# Altium PCB qfc.PcbDoc (part 11 of 13)
Units mil, origin at the board's own origin, x right, y up, seen from the top; angles counter-clockwise.
Board outline 1990 x 2620 mil, 4 copper layers (Top Layer, Mid-Layer 1, Mid-Layer 2, Bottom Layer); 217 components, 187 nets, 805 pads, 370 vias.
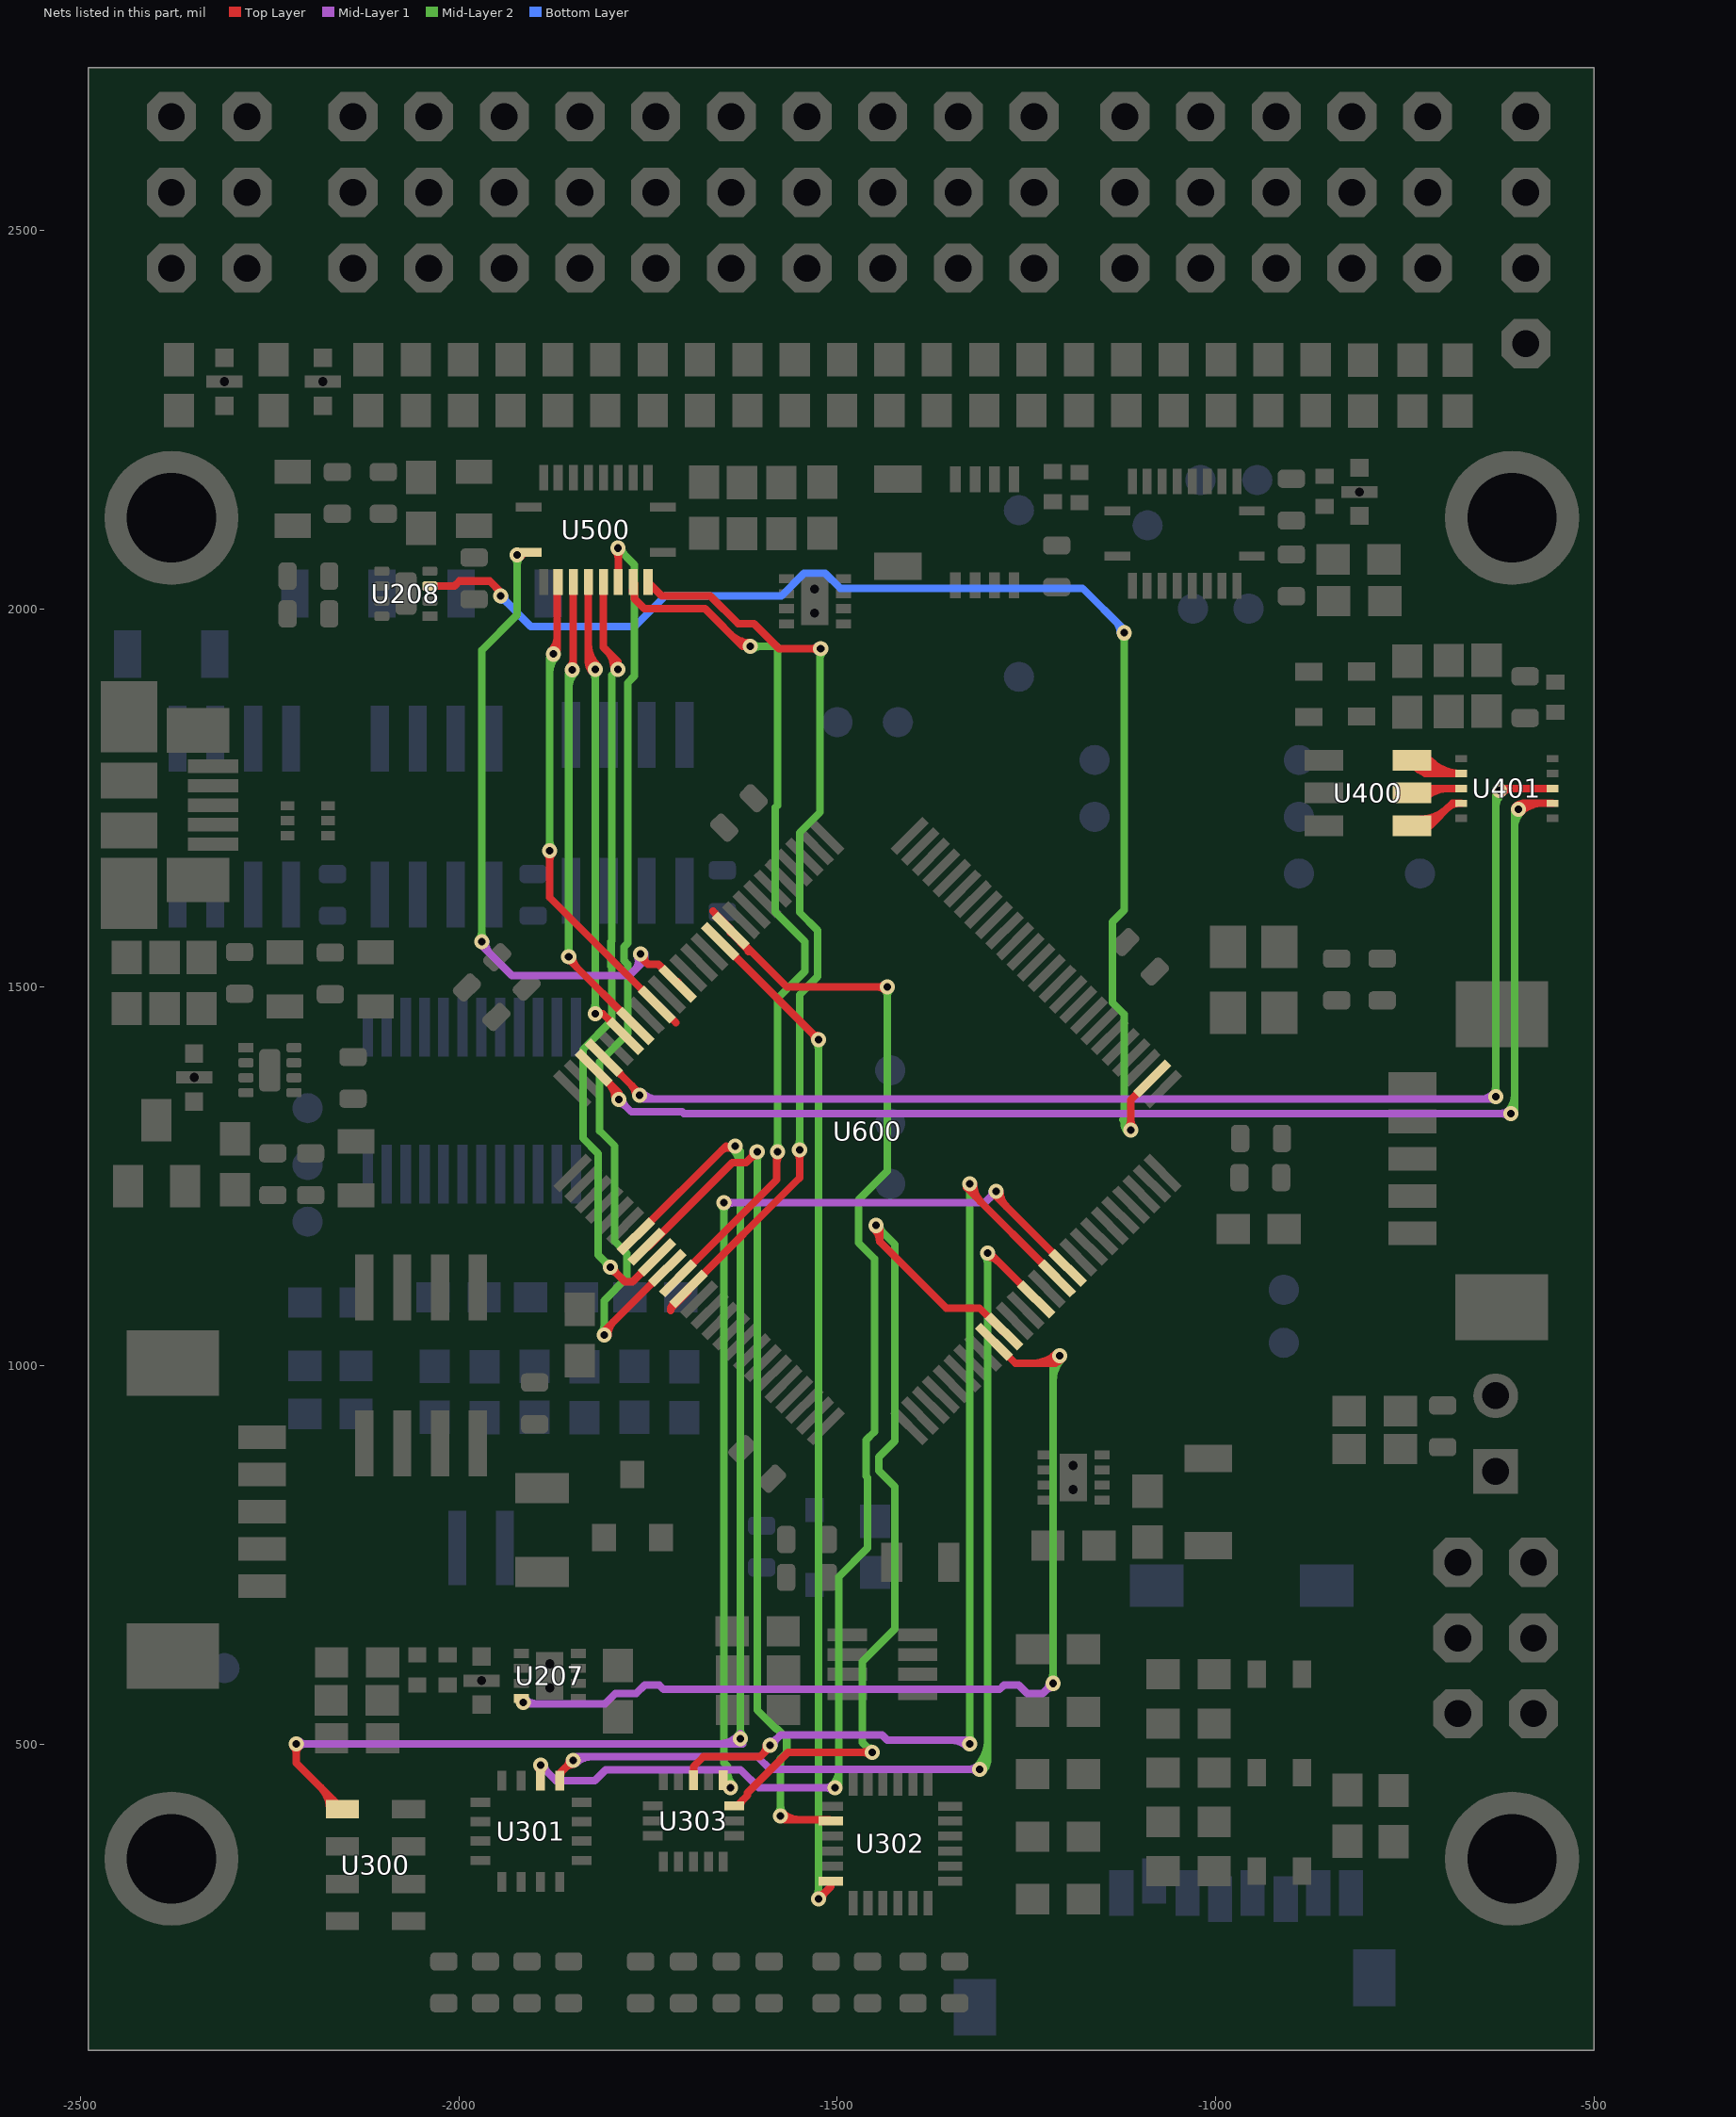
[diagram p13: the nets of this part, all layers, seen from the top]

## Via types
v1: diameter 20, hole 10, Top Layer to Bottom Layer, tented both sides, 256 vias
v2: diameter 22, hole 12, Top Layer to Bottom Layer, tented both sides, 31 vias
v3: diameter 25, hole 15, Top Layer to Bottom Layer, tented both sides, 29 vias
v4: diameter 20, hole 12, Top Layer to Bottom Layer, tented both sides, 17 vias
v5: diameter 30, hole 15, Top Layer to Bottom Layer, tented both sides, 12 vias
v6: diameter 25, hole 12, Top Layer to Bottom Layer, tented both sides, 11 vias
v7: diameter 25, hole 13, Top Layer to Bottom Layer, tented both sides, 5 vias
v8: diameter 40, hole 25, Top Layer to Bottom Layer, tented both sides, 2 vias
v9: diameter 23, hole 13, Top Layer to Bottom Layer, tented both sides, 2 vias
v10: diameter 30, hole 20, Top Layer to Bottom Layer, tented both sides, 2 vias
v11: diameter 20, hole 13, Top Layer to Bottom Layer, tented both sides, 1 vias
v12: diameter 20, hole 15, Top Layer to Bottom Layer, tented both sides, 1 vias
v13: diameter 30, hole 18, Top Layer to Bottom Layer, tented both sides, 1 vias

## Nets (pads, with @x,y where several pads share a name; then routed paths per layer and width w, separated by ;. In a path a pad name is that pad's centre, name@x,y a point inside that pad or via, vN(x,y) a via of type N, cw(c..) or ccw(c..) an arc to the next point about the centre after c; other vN are vias at no path point) (continued)
NetU207_4: U207.4 U600.84 | length 1862.3
  Top Layer w10: U600.84@-1293.12,1031.4 -1264.86,1003.14 -1211.86,1003.14 -1206,1009 v1(-1206,1013) ; -1241.88,1003.14 ccw(c-1241.88,1048.88) v1@-1209.54,1016.54 ; -1241.88,1003.14 ccw(c-1241.88,1048.88) v1@-1209.54,1016.54 ; -1241.88,1003.14 ccw(c-1241.88,1048.88) v1@-1209.54,1016.54 ; -1241.88,1003.14 ccw(c-1241.88,1048.88) v1@-1209.54,1016.54 ; -1217.73,1003.14 ccw(c-1217.73,1024.74) v1@-1202.46,1009.46 ; -1217.73,1003.14 ccw(c-1217.73,1024.74) v1@-1202.46,1009.46 ; -1217.73,1003.14 ccw(c-1217.73,1024.74) v1@-1202.46,1009.46 ; -1217.73,1003.14 ccw(c-1217.73,1024.74) v1@-1202.46,1009.46
  Mid-Layer 1 w10: v1@-1913,553 -1807,553 -1793.39,566.61 -1765.91,566.61 -1754.53,578 -1735.47,578 -1729.47,572 -1285.53,572 -1279.53,578 -1260.47,578 -1249.09,566.61 -1228.39,566.61 v1(-1215,580) ; v1@-1911.46,558.54 ccw(c-1898.1,571.9) -1898.1,553 ; v1@-1911.46,558.54 ccw(c-1898.1,571.9) -1898.1,553 ; v1@-1911.46,558.54 ccw(c-1898.1,571.9) -1898.1,553 ; v1@-1911.46,558.54 ccw(c-1898.1,571.9) -1898.1,553 ; -1223.54,571.46 cw(c-1215,562.93) v1@-1215,575 ; -1223.54,571.46 ccw(c-1232.07,580) v1@-1220,580 ; -1223.54,571.46 cw(c-1215,562.93) v1@-1215,575 ; -1223.54,571.46 ccw(c-1232.07,580) v1@-1220,580 ; -1223.54,571.46 cw(c-1215,562.93) v1@-1215,575 ; -1223.54,571.46 ccw(c-1232.07,580) v1@-1220,580
  Mid-Layer 2 w10: v1(-1215,580) -1215,1004 v1(-1206,1013) ; v1@-1218.54,583.54 ccw(c-1227.07,592.07) -1215,592.07 ; v1@-1218.54,583.54 ccw(c-1227.07,592.07) -1215,592.07 ; v1@-1218.54,583.54 ccw(c-1227.07,592.07) -1215,592.07 ; v1@-1218.54,583.54 ccw(c-1227.07,592.07) -1215,592.07 ; -1215,592.07 ccw(c-1202.93,592.07) v1@-1211.46,583.54 ; -1215,592.07 ccw(c-1202.93,592.07) v1@-1211.46,583.54 ; -1215,592.07 ccw(c-1202.93,592.07) v1@-1211.46,583.54 ; -1215,592.07 ccw(c-1202.93,592.07) v1@-1211.46,583.54 ; -1215,979.2 cw(c-1172.2,979.2) v1@-1202.46,1009.46 ; -1215,979.2 cw(c-1172.2,979.2) v1@-1202.46,1009.46 ; -1215,979.2 cw(c-1172.2,979.2) v1@-1202.46,1009.46 ; -1215,979.2 cw(c-1172.2,979.2) v1@-1202.46,1009.46 ; -1215,1003.34 cw(c-1196.34,1003.34) v1@-1209.54,1016.54 ; -1215,1003.34 cw(c-1196.34,1003.34) v1@-1209.54,1016.54 ; -1215,1003.34 cw(c-1196.34,1003.34) v1@-1209.54,1016.54 ; -1215,1003.34 cw(c-1196.34,1003.34) v1@-1209.54,1016.54
  other v1: -1915,555
NetU208_3: U208.3 U600.2 | length 2300.2
  Top Layer w10: U208.3@-2038.5,2029.84 -2006.05,2029.84 -1999.46,2036.44 -1959.44,2036.44 -1945,2022 v1(-1945,2016.63) ; v1(-1112,1311) -1112,1351.12 U600.2@-1083.85,1379.27 ; v1@-1115.54,1314.54 ccw(c-1124.07,1323.07) -1112,1323.07 ; v1@-1115.54,1314.54 ccw(c-1124.07,1323.07) -1112,1323.07 ; v1@-1115.54,1314.54 ccw(c-1124.07,1323.07) -1112,1323.07 ; v1@-1115.54,1314.54 ccw(c-1124.07,1323.07) -1112,1323.07 ; -1112,1323.07 ccw(c-1099.93,1323.07) v1@-1108.46,1314.54 ; -1112,1323.07 ccw(c-1099.93,1323.07) v1@-1108.46,1314.54 ; -1112,1323.07 ccw(c-1099.93,1323.07) v1@-1108.46,1314.54 ; -1112,1323.07 ccw(c-1099.93,1323.07) v1@-1108.46,1314.54
  Mid-Layer 2 w10: v1(-1121,1968) -1121,1601.6 -1136.49,1586.11 -1136.49,1479.37 -1121,1463.89 -1121,1323 -1112,1314 v1(-1112,1311) ; v1@-1124.54,1964.46 cw(c-1133.07,1955.93) -1121,1955.93 ; v1@-1124.54,1964.46 cw(c-1133.07,1955.93) -1121,1955.93 ; v1@-1124.54,1964.46 cw(c-1133.07,1955.93) -1121,1955.93 ; v1@-1124.54,1964.46 cw(c-1133.07,1955.93) -1121,1955.93 ; -1122.5,1324.5 cw(c-1135.78,1311.22) v1@-1117,1311.05 ; -1122.5,1324.5 cw(c-1135.78,1311.22) v1@-1117,1311.05 ; -1122.5,1324.5 cw(c-1135.78,1311.22) v1@-1117,1311.05 ; -1121,1320.66 ccw(c-1102.34,1320.66) v1@-1115.54,1307.46 ; -1121,1320.66 ccw(c-1102.34,1320.66) v1@-1115.54,1307.46 ; -1121,1320.66 ccw(c-1102.34,1320.66) v1@-1115.54,1307.46 ; -1121,1320.66 ccw(c-1102.34,1320.66) v1@-1115.54,1307.46 ; -1121,1344.8 ccw(c-1078.2,1344.8) v1@-1108.46,1314.54 ; -1121,1344.8 ccw(c-1078.2,1344.8) v1@-1108.46,1314.54 ; -1121,1344.8 ccw(c-1078.2,1344.8) v1@-1108.46,1314.54 ; -1121,1344.8 ccw(c-1078.2,1344.8) v1@-1108.46,1314.54 ; -1121,1955.93 cw(c-1108.93,1955.93) v1@-1117.46,1964.46 ; -1121,1955.93 cw(c-1108.93,1955.93) v1@-1117.46,1964.46 ; -1121,1955.93 cw(c-1108.93,1955.93) v1@-1117.46,1964.46 ; -1121,1955.93 cw(c-1108.93,1955.93) v1@-1117.46,1964.46
  Bottom Layer w10: v1(-1945,2016.63) -1944.63,2017 -1938.3,2010.66 -1938.3,2009.82 -1904.97,1976.5 -1767.92,1976.5 -1727.42,2017 -1573.72,2017 -1543.97,2046.75 -1516.03,2046.75 -1496.28,2027 -1176,2027 -1121,1972 v1(-1121,1968) ; v1@-1945,2011.63 cw(c-1945,1999.81) -1936.64,2008.17 ; v1@-1945,2011.63 cw(c-1945,1999.81) -1936.64,2008.17 ; v1@-1945,2011.63 cw(c-1945,1999.81) -1936.64,2008.17 ; v1@-1945,2011.63 cw(c-1945,1999.81) -1936.64,2008.17 ; v1@-1940,2016.63 ccw(c-1927.68,2016.63) -1936.39,2007.92 ; v1@-1940,2016.63 ccw(c-1927.68,2016.63) -1936.39,2007.92 ; v1@-1940,2016.63 ccw(c-1927.68,2016.63) -1936.39,2007.92 ; v1@-1940,2016.63 ccw(c-1927.68,2016.63) -1936.39,2007.92 ; -1132.36,1983.36 cw(c-1147.73,1968) v1@-1126,1968 ; -1132.36,1983.36 cw(c-1147.73,1968) v1@-1126,1968 ; -1132.36,1983.36 cw(c-1147.73,1968) v1@-1126,1968 ; -1132.36,1983.36 cw(c-1147.73,1968) v1@-1126,1968
NetU300_5: U300.5 U600.57 | length 2358.1
  Top Layer w10: v1(-2215,500) -2215,474.82 U300.5@-2154,413.82 ; U600.57@-1766.26,1170.78 -1647.04,1290 ; v1@-2218.54,496.46 cw(c-2227.07,487.93) -2215,487.93 ; v1@-2218.54,496.46 cw(c-2227.07,487.93) -2215,487.93 ; v1@-2218.54,496.46 cw(c-2227.07,487.93) -2215,487.93 ; v1@-2218.54,496.46 cw(c-2227.07,487.93) -2215,487.93 ; -2215,487.93 cw(c-2202.93,487.93) v1@-2211.46,496.46 ; -2215,487.93 cw(c-2202.93,487.93) v1@-2211.46,496.46 ; -2215,487.93 cw(c-2202.93,487.93) v1@-2211.46,496.46 ; -2215,487.93 cw(c-2202.93,487.93) v1@-2211.46,496.46 ; -2183.02,442.84 cw(c-2212.04,413.82) U300.5@-2171,413.82 ; -2183.02,442.84 cw(c-2212.04,413.82) U300.5@-2171,413.82 ; -2183.02,442.84 cw(c-2212.04,413.82) U300.5@-2171,413.82 ; -2183.02,442.84 cw(c-2212.04,413.82) U300.5@-2171,413.82 ; U300.5@-2165.95,425.77 cw(c-2177.9,413.82) U300.5@-2161,413.82 ; U300.5@-2165.95,425.77 cw(c-2177.9,413.82) U300.5@-2161,413.82 ; U300.5@-2165.95,425.77 cw(c-2177.9,413.82) U300.5@-2161,413.82 ; U300.5@-2165.95,425.77 cw(c-2177.9,413.82) U300.5@-2161,413.82 ; -1653.05,1283.98 cw(c-1644.23,1275.16) v1@-1637.64,1285.75 ; -1653.05,1283.98 cw(c-1644.23,1275.16) v1@-1637.64,1285.75 ; -1653.05,1283.98 cw(c-1644.23,1275.16) v1@-1637.64,1285.75
  Mid-Layer 1 w10: v1(-2215,500) -1625,500 -1628,503 -1628,514 v1(-1628,507) ; v1@-2211.46,496.46 cw(c-2202.93,487.93) -2202.93,500 ; v1@-2211.46,496.46 cw(c-2202.93,487.93) -2202.93,500 ; v1@-2211.46,496.46 cw(c-2202.93,487.93) -2202.93,500 ; v1@-2211.46,496.46 cw(c-2202.93,487.93) -2202.93,500 ; v1@-2211.46,503.54 ccw(c-2202.93,512.07) -2202.93,500 ; v1@-2211.46,503.54 ccw(c-2202.93,512.07) -2202.93,500 ; v1@-2211.46,503.54 ccw(c-2202.93,512.07) -2202.93,500 ; v1@-2211.46,503.54 ccw(c-2202.93,512.07) -2202.93,500 ; -1656.97,500 ccw(c-1656.97,535.97) v1@-1631.54,510.54 ; -1656.97,500 ccw(c-1656.97,535.97) v1@-1631.54,510.54 ; -1656.97,500 ccw(c-1656.97,535.97) v1@-1631.54,510.54 ; -1656.97,500 ccw(c-1656.97,535.97) v1@-1631.54,510.54
  Mid-Layer 2 w10: v1@-1628,503 v1@-1628,1283 ; v1@-1638.54,1286.46 cw(c-1663.97,1261.03) -1628,1261.03 ; v1@-1638.54,1286.46 cw(c-1663.97,1261.03) -1628,1261.03 ; v1@-1638.54,1286.46 cw(c-1663.97,1261.03) -1628,1261.03 ; v1@-1638.54,1286.46 cw(c-1663.97,1261.03) -1628,1261.03 ; v1@-1631.54,510.54 ccw(c-1640.07,519.07) -1628,519.07 ; v1@-1631.54,510.54 ccw(c-1640.07,519.07) -1628,519.07 ; v1@-1631.54,510.54 ccw(c-1640.07,519.07) -1628,519.07 ; v1@-1631.54,510.54 ccw(c-1640.07,519.07) -1628,519.07 ; -1628,519.07 ccw(c-1615.93,519.07) v1@-1624.46,510.54 ; -1628,519.07 ccw(c-1615.93,519.07) v1@-1624.46,510.54 ; -1628,519.07 ccw(c-1615.93,519.07) v1@-1624.46,510.54 ; -1628,519.07 ccw(c-1615.93,519.07) v1@-1624.46,510.54
  other v1: -1635,1290
NetU301_5: U301.5 U600.88 | length 2041.1
  Top Layer w10: U301.5@-1866.61,451.46 -1866.61,461.39 v1@-1850,478 ; v1(-1301.63,1148.36) -1298.36,1148.36 U600.88@-1237.26,1087.26 ; U301.5@-1865.61,458.46 cw(c-1856.13,458.46) -1862.84,465.16 ; U301.5@-1865.61,458.46 cw(c-1856.13,458.46) -1862.84,465.16 ; U301.5@-1865.61,458.46 cw(c-1856.13,458.46) -1862.84,465.16 ; U301.5@-1865.61,458.46 cw(c-1856.13,458.46) -1862.84,465.16 ; -1859.24,468.76 cw(c-1849,458.51) v1@-1849,473 ; -1859.24,468.76 cw(c-1849,458.51) v1@-1849,473 ; -1859.24,468.76 cw(c-1849,458.51) v1@-1849,473 ; -1859.24,468.76 cw(c-1849,458.51) v1@-1849,473 ; -1856.83,471.17 ccw(c-1863.66,478) v1@-1854,478 ; -1856.83,471.17 ccw(c-1863.66,478) v1@-1854,478 ; -1856.83,471.17 ccw(c-1863.66,478) v1@-1854,478 ; -1856.83,471.17 ccw(c-1863.66,478) v1@-1854,478 ; v1@-1301.63,1143.36 cw(c-1301.63,1123.39) -1287.51,1137.51 ; v1@-1301.63,1143.36 cw(c-1301.63,1123.39) -1287.51,1137.51 ; v1@-1301.63,1143.36 cw(c-1301.63,1123.39) -1287.51,1137.51 ; v1@-1301.63,1143.36 cw(c-1301.63,1123.39) -1287.51,1137.51
  Mid-Layer 1 w10: v1@-1844,483 -1605.43,483 -1589.07,466.63 v1(-1312,466.63) ; v1@-1303.27,1150 v1(-1301.63,1148.36) ; v1@-1845.46,474.46 cw(c-1824.86,453.86) -1824.86,483 ; v1@-1845.46,474.46 cw(c-1824.86,453.86) -1824.86,483 ; v1@-1845.46,474.46 cw(c-1824.86,453.86) -1824.86,483 ; v1@-1845.46,474.46 cw(c-1824.86,453.86) -1824.86,483 ; -1324.07,466.63 cw(c-1324.07,454.56) v1@-1315.54,463.1 ; -1324.07,466.63 ccw(c-1324.07,478.71) v1@-1315.54,470.17 ; -1324.07,466.63 cw(c-1324.07,454.56) v1@-1315.54,463.1 ; -1324.07,466.63 ccw(c-1324.07,478.71) v1@-1315.54,470.17 ; -1324.07,466.63 cw(c-1324.07,454.56) v1@-1315.54,463.1 ; -1324.07,466.63 ccw(c-1324.07,478.71) v1@-1315.54,470.17 ; -1324.07,466.63 cw(c-1324.07,454.56) v1@-1315.54,463.1 ; -1324.07,466.63 ccw(c-1324.07,478.71) v1@-1315.54,470.17
  Mid-Layer 2 w10: v1(-1312,466.63) -1301.63,477 v1(-1301.63,1148.36) ; v1@-1315.54,470.17 ccw(c-1349.09,503.73) -1301.63,503.73 ; v1@-1315.54,470.17 ccw(c-1349.09,503.73) -1301.63,503.73 ; v1@-1315.54,470.17 ccw(c-1349.09,503.73) -1301.63,503.73 ; v1@-1315.54,470.17 ccw(c-1349.09,503.73) -1301.63,503.73 ; v1@-1312,471.63 ccw(c-1312,483.71) -1303.46,475.17 ; v1@-1312,471.63 ccw(c-1312,483.71) -1303.46,475.17 ; v1@-1312,471.63 ccw(c-1312,483.71) -1303.46,475.17 ; v1@-1308.46,463.1 ccw(c-1324.95,479.59) -1301.63,479.59 ; v1@-1308.46,463.1 ccw(c-1324.95,479.59) -1301.63,479.59 ; v1@-1308.46,463.1 ccw(c-1324.95,479.59) -1301.63,479.59 ; v1@-1308.46,463.1 ccw(c-1324.95,479.59) -1301.63,479.59 ; v1@-1307,466.63 cw(c-1294.93,466.63) -1303.46,475.17 ; v1@-1307,466.63 cw(c-1294.93,466.63) -1303.46,475.17 ; v1@-1307,466.63 cw(c-1294.93,466.63) -1303.46,475.17 ; v1@-1305.17,1144.83 cw(c-1313.71,1136.29) -1301.63,1136.29 ; v1@-1305.17,1144.83 cw(c-1313.71,1136.29) -1301.63,1136.29 ; v1@-1305.17,1144.83 cw(c-1313.71,1136.29) -1301.63,1136.29 ; v1@-1305.17,1144.83 cw(c-1313.71,1136.29) -1301.63,1136.29 ; -1301.63,1136.29 cw(c-1289.56,1136.29) v1@-1298.1,1144.83 ; -1301.63,1136.29 cw(c-1289.56,1136.29) v1@-1298.1,1144.83 ; -1301.63,1136.29 cw(c-1289.56,1136.29) v1@-1298.1,1144.83 ; -1301.63,1136.29 cw(c-1289.56,1136.29) v1@-1298.1,1144.83
  other v1: -1849,478
NetU301_6: U301.6 U600.35 | length 2385.7
  Top Layer w10: U301.6@-1892.2,451.46 v1(-1892.2,471.8) ; -1664.49,1600.39 -1640.95,1576.85 U600.35@-1640.95,1574.47 ; -1617.42,1547.14 -1617.42,1548.55 -1640.95,1572.09 U600.35@-1640.95,1574.47 ; v1(-1434,1500) -1566.48,1500 U600.35@-1640.95,1574.47 ; v1@-1895.74,468.26 cw(c-1904.27,459.72) U301.6@-1892.2,459.72 ; v1@-1895.74,468.26 cw(c-1904.27,459.72) U301.6@-1892.2,459.72 ; v1@-1895.74,468.26 cw(c-1904.27,459.72) U301.6@-1892.2,459.72 ; v1@-1895.74,468.26 cw(c-1904.27,459.72) U301.6@-1892.2,459.72 ; U301.6@-1892.2,459.72 cw(c-1880.13,459.72) v1@-1888.67,468.26 ; U301.6@-1892.2,459.72 cw(c-1880.13,459.72) v1@-1888.67,468.26 ; U301.6@-1892.2,459.72 cw(c-1880.13,459.72) v1@-1888.67,468.26 ; U301.6@-1892.2,459.72 cw(c-1880.13,459.72) v1@-1888.67,468.26 ; -1661.31,1597.21 cw(c-1667.09,1591.44) U600.35@-1658.92,1591.44 ; -1661.31,1597.21 cw(c-1667.09,1591.44) U600.35@-1658.92,1591.44 ; -1661.31,1597.21 cw(c-1667.09,1591.44) U600.35@-1658.92,1591.44 ; -1661.31,1597.21 cw(c-1667.09,1591.44) U600.35@-1658.92,1591.44 ; U600.35@-1622.98,1557.5 ccw(c-1614.81,1557.5) -1620.59,1551.72 ; U600.35@-1622.98,1557.5 ccw(c-1614.81,1557.5) -1620.59,1551.72 ; U600.35@-1622.98,1557.5 ccw(c-1614.81,1557.5) -1620.59,1551.72 ; U600.35@-1622.98,1557.5 ccw(c-1614.81,1557.5) -1620.59,1551.72 ; -1446.07,1500 cw(c-1446.07,1487.93) v1@-1437.54,1496.46 ; -1446.07,1500 ccw(c-1446.07,1512.07) v1@-1437.54,1503.54 ; -1446.07,1500 cw(c-1446.07,1487.93) v1@-1437.54,1496.46 ; -1446.07,1500 ccw(c-1446.07,1512.07) v1@-1437.54,1503.54 ; -1446.07,1500 cw(c-1446.07,1487.93) v1@-1437.54,1496.46 ; -1446.07,1500 ccw(c-1446.07,1512.07) v1@-1437.54,1503.54 ; -1446.07,1500 cw(c-1446.07,1487.93) v1@-1437.54,1496.46 ; -1446.07,1500 ccw(c-1446.07,1512.07) v1@-1437.54,1503.54
  Mid-Layer 1 w10: v1(-1892.2,471.8) -1871.87,451.46 -1820.54,451.46 -1806.04,465.96 -1627.92,465.96 -1603.96,442 -1575,442 ; -1588.48,442 -1575,442 ; v1(-1503,442) -1575,442 ; v1@-1892.2,466.8 cw(c-1892.2,454.72) -1883.67,463.26 ; v1@-1892.2,466.8 cw(c-1892.2,454.72) -1883.67,463.26 ; v1@-1892.2,466.8 cw(c-1892.2,454.72) -1883.67,463.26 ; v1@-1892.2,466.8 cw(c-1892.2,454.72) -1883.67,463.26 ; v1@-1887.2,471.8 ccw(c-1875.13,471.8) -1883.67,463.26 ; v1@-1887.2,471.8 ccw(c-1875.13,471.8) -1883.67,463.26 ; v1@-1887.2,471.8 ccw(c-1875.13,471.8) -1883.67,463.26 ; v1@-1887.2,471.8 ccw(c-1875.13,471.8) -1883.67,463.26 ; -1515.07,442 cw(c-1515.07,429.93) v1@-1506.54,438.46 ; -1515.07,442 ccw(c-1515.07,454.07) v1@-1506.54,445.54 ; -1515.07,442 cw(c-1515.07,429.93) v1@-1506.54,438.46 ; -1515.07,442 ccw(c-1515.07,454.07) v1@-1506.54,445.54 ; -1515.07,442 cw(c-1515.07,429.93) v1@-1506.54,438.46 ; -1515.07,442 ccw(c-1515.07,454.07) v1@-1506.54,445.54 ; -1515.07,442 cw(c-1515.07,429.93) v1@-1506.54,438.46 ; -1515.07,442 ccw(c-1515.07,454.07) v1@-1506.54,445.54
  Mid-Layer 2 w10: v1(-1503,442) -1498,447 -1498,720.77 -1460,758.77 -1460,851.85 -1462,853.85 -1462,901.35 -1451,912.35 -1451,1141 -1472,1162 -1472,1219 -1434,1257 v1(-1434,1500) ; v1@-1506.54,445.54 ccw(c-1527.14,466.14) -1498,466.14 ; v1@-1506.54,445.54 ccw(c-1527.14,466.14) -1498,466.14 ; v1@-1506.54,445.54 ccw(c-1527.14,466.14) -1498,466.14 ; v1@-1506.54,445.54 ccw(c-1527.14,466.14) -1498,466.14 ; v1@-1437.54,1496.46 cw(c-1446.07,1487.93) -1434,1487.93 ; v1@-1437.54,1496.46 cw(c-1446.07,1487.93) -1434,1487.93 ; v1@-1437.54,1496.46 cw(c-1446.07,1487.93) -1434,1487.93 ; v1@-1437.54,1496.46 cw(c-1446.07,1487.93) -1434,1487.93 ; -1434,1487.93 cw(c-1421.93,1487.93) v1@-1430.46,1496.46 ; -1434,1487.93 cw(c-1421.93,1487.93) v1@-1430.46,1496.46 ; -1434,1487.93 cw(c-1421.93,1487.93) v1@-1430.46,1496.46 ; -1434,1487.93 cw(c-1421.93,1487.93) v1@-1430.46,1496.46
NetU302_8: U302.8 U600.58 | length 1538.6
  Top Layer w10: U600.58@-1752.34,1156.86 -1749.95,1156.86 -1638.81,1268 -1620.5,1268 v1(-1606,1282.5) ; v1(-1575,405) -1569.74,399.74 -1510.42,399.74 U302.8@-1508.74,398.06 ; U600.58@-1735.36,1174.83 ccw(c-1735.36,1182.99) -1729.59,1177.22 ; U600.58@-1735.36,1174.83 ccw(c-1735.36,1182.99) -1729.59,1177.22 ; U600.58@-1735.36,1174.83 ccw(c-1735.36,1182.99) -1729.59,1177.22 ; U600.58@-1735.36,1174.83 ccw(c-1735.36,1182.99) -1729.59,1177.22 ; -1614.54,1273.96 cw(c-1606,1265.43) v1@-1606,1277.5 ; -1614.54,1273.96 ccw(c-1623.07,1282.5) v1@-1611,1282.5 ; -1614.54,1273.96 cw(c-1606,1265.43) v1@-1606,1277.5 ; -1614.54,1273.96 ccw(c-1623.07,1282.5) v1@-1611,1282.5 ; -1614.54,1273.96 cw(c-1606,1265.43) v1@-1606,1277.5 ; -1614.54,1273.96 ccw(c-1623.07,1282.5) v1@-1611,1282.5 ; -1614.54,1273.96 cw(c-1606,1265.43) v1@-1606,1277.5 ; -1614.54,1273.96 ccw(c-1623.07,1282.5) v1@-1611,1282.5 ; v1@-1571.46,408.54 ccw(c-1550.23,429.77) -1550.23,399.74 ; v1@-1571.46,408.54 ccw(c-1550.23,429.77) -1550.23,399.74 ; v1@-1571.46,408.54 ccw(c-1550.23,429.77) -1550.23,399.74 ; v1@-1571.46,408.54 ccw(c-1550.23,429.77) -1550.23,399.74 ; -1525.22,399.74 cw(c-1525.22,391.58) U302.8@-1519.45,397.35 ; -1525.22,399.74 cw(c-1525.22,391.58) U302.8@-1519.45,397.35 ; -1525.22,399.74 cw(c-1525.22,391.58) U302.8@-1519.45,397.35 ; -1525.22,399.74 cw(c-1525.22,391.58) U302.8@-1519.45,397.35
  Mid-Layer 2 w10: v1(-1606,1282.5) -1606,545 -1581,520 -1579.7,520 -1566.82,507.11 -1566.82,488.89 -1575,480.7 v1(-1575,405) ; v1@-1609.54,1278.96 cw(c-1618.07,1270.43) -1606,1270.43 ; v1@-1609.54,1278.96 cw(c-1618.07,1270.43) -1606,1270.43 ; v1@-1609.54,1278.96 cw(c-1618.07,1270.43) -1606,1270.43 ; v1@-1609.54,1278.96 cw(c-1618.07,1270.43) -1606,1270.43 ; -1606,1270.43 cw(c-1593.93,1270.43) v1@-1602.46,1278.96 ; -1606,1270.43 cw(c-1593.93,1270.43) v1@-1602.46,1278.96 ; -1606,1270.43 cw(c-1593.93,1270.43) v1@-1602.46,1278.96 ; -1606,1270.43 cw(c-1593.93,1270.43) v1@-1602.46,1278.96 ; v1@-1578.54,408.54 ccw(c-1587.07,417.07) -1575,417.07 ; v1@-1578.54,408.54 ccw(c-1587.07,417.07) -1575,417.07 ; v1@-1578.54,408.54 ccw(c-1587.07,417.07) -1575,417.07 ; v1@-1578.54,408.54 ccw(c-1587.07,417.07) -1575,417.07 ; -1575,417.07 ccw(c-1562.93,417.07) v1@-1571.46,408.54 ; -1575,417.07 ccw(c-1562.93,417.07) v1@-1571.46,408.54 ; -1575,417.07 ccw(c-1562.93,417.07) v1@-1571.46,408.54 ; -1575,417.07 ccw(c-1562.93,417.07) v1@-1571.46,408.54
NetU302_12: U302.12 U600.36 | length 1653
  Top Layer w10: U600.36@-1654.87,1560.55 v1(-1525,1430.68) ; v1(-1525,295) -1508.74,311.26 U302.12@-1508.74,318.53 ; -1533.54,1439.21 cw(c-1542.07,1430.68) v1@-1530,1430.68 ; -1533.54,1439.21 ccw(c-1525,1447.75) v1@-1525,1435.68 ; -1533.54,1439.21 cw(c-1542.07,1430.68) v1@-1530,1430.68 ; -1533.54,1439.21 ccw(c-1525,1447.75) v1@-1525,1435.68 ; -1533.54,1439.21 cw(c-1542.07,1430.68) v1@-1530,1430.68 ; -1533.54,1439.21 ccw(c-1525,1447.75) v1@-1525,1435.68 ; -1533.54,1439.21 cw(c-1542.07,1430.68) v1@-1530,1430.68 ; -1533.54,1439.21 ccw(c-1525,1447.75) v1@-1525,1435.68 ; v1@-1525,300 ccw(c-1525,312.07) -1516.46,303.54 ; v1@-1525,300 ccw(c-1525,312.07) -1516.46,303.54 ; v1@-1525,300 ccw(c-1525,312.07) -1516.46,303.54 ; v1@-1525,300 ccw(c-1525,312.07) -1516.46,303.54 ; v1@-1520,295 cw(c-1507.93,295) -1516.46,303.54 ; v1@-1520,295 cw(c-1507.93,295) -1516.46,303.54 ; v1@-1520,295 cw(c-1507.93,295) -1516.46,303.54 ; v1@-1520,295 cw(c-1507.93,295) -1516.46,303.54
  Mid-Layer 2 w10: v1(-1525,295) v1(-1525,1430.68) ; v1@-1528.54,298.54 ccw(c-1537.07,307.07) -1525,307.07 ; v1@-1528.54,298.54 ccw(c-1537.07,307.07) -1525,307.07 ; v1@-1528.54,298.54 ccw(c-1537.07,307.07) -1525,307.07 ; v1@-1528.54,298.54 ccw(c-1537.07,307.07) -1525,307.07 ; v1@-1528.54,1427.14 cw(c-1537.07,1418.61) -1525,1418.61 ; v1@-1528.54,1427.14 cw(c-1537.07,1418.61) -1525,1418.61 ; v1@-1528.54,1427.14 cw(c-1537.07,1418.61) -1525,1418.61 ; v1@-1528.54,1427.14 cw(c-1537.07,1418.61) -1525,1418.61 ; -1525,307.07 ccw(c-1512.93,307.07) v1@-1521.46,298.54 ; -1525,307.07 ccw(c-1512.93,307.07) v1@-1521.46,298.54 ; -1525,307.07 ccw(c-1512.93,307.07) v1@-1521.46,298.54 ; -1525,307.07 ccw(c-1512.93,307.07) v1@-1521.46,298.54 ; -1525,1418.61 cw(c-1512.93,1418.61) v1@-1521.46,1427.14 ; -1525,1418.61 cw(c-1512.93,1418.61) v1@-1521.46,1427.14 ; -1525,1418.61 cw(c-1512.93,1418.61) v1@-1521.46,1427.14 ; -1525,1418.61 cw(c-1512.93,1418.61) v1@-1521.46,1427.14
NetU303_8: U303.8 U600.85 | length 1522.8
  Top Layer w10: U303.8@-1636.06,418.27 -1632.62,418.27 -1619,431.89 -1619,435.33 -1565.33,489 v1(-1454,489) ; v1(-1449,1185) -1444,1180 -1444,1163.85 -1356.15,1076 -1312.27,1076 -1281.1,1044.84 U600.85@-1279.69,1044.84 ; U303.8@-1628.06,418.27 cw(c-1617.06,418.27) -1624.84,426.05 ; U303.8@-1628.06,418.27 cw(c-1617.06,418.27) -1624.84,426.05 ; U303.8@-1628.06,418.27 cw(c-1617.06,418.27) -1624.84,426.05 ; U303.8@-1628.06,418.27 cw(c-1617.06,418.27) -1624.84,426.05 ; -1466.07,489 cw(c-1466.07,476.93) v1@-1457.54,485.46 ; -1466.07,489 ccw(c-1466.07,501.07) v1@-1457.54,492.54 ; -1466.07,489 cw(c-1466.07,476.93) v1@-1457.54,485.46 ; -1466.07,489 ccw(c-1466.07,501.07) v1@-1457.54,492.54 ; -1466.07,489 cw(c-1466.07,476.93) v1@-1457.54,485.46 ; -1466.07,489 ccw(c-1466.07,501.07) v1@-1457.54,492.54 ; -1466.07,489 cw(c-1466.07,476.93) v1@-1457.54,485.46 ; -1466.07,489 ccw(c-1466.07,501.07) v1@-1457.54,492.54 ; v1@-1452.25,1181.2 cw(c-1467.62,1163.26) -1444,1163.26 ; v1@-1452.25,1181.2 cw(c-1467.62,1163.26) -1444,1163.26 ; v1@-1452.25,1181.2 cw(c-1467.62,1163.26) -1444,1163.26 ; v1@-1452.25,1181.2 cw(c-1467.62,1163.26) -1444,1163.26